# EAGLE board working (EAGLE 9.6.2), part 18 of 28
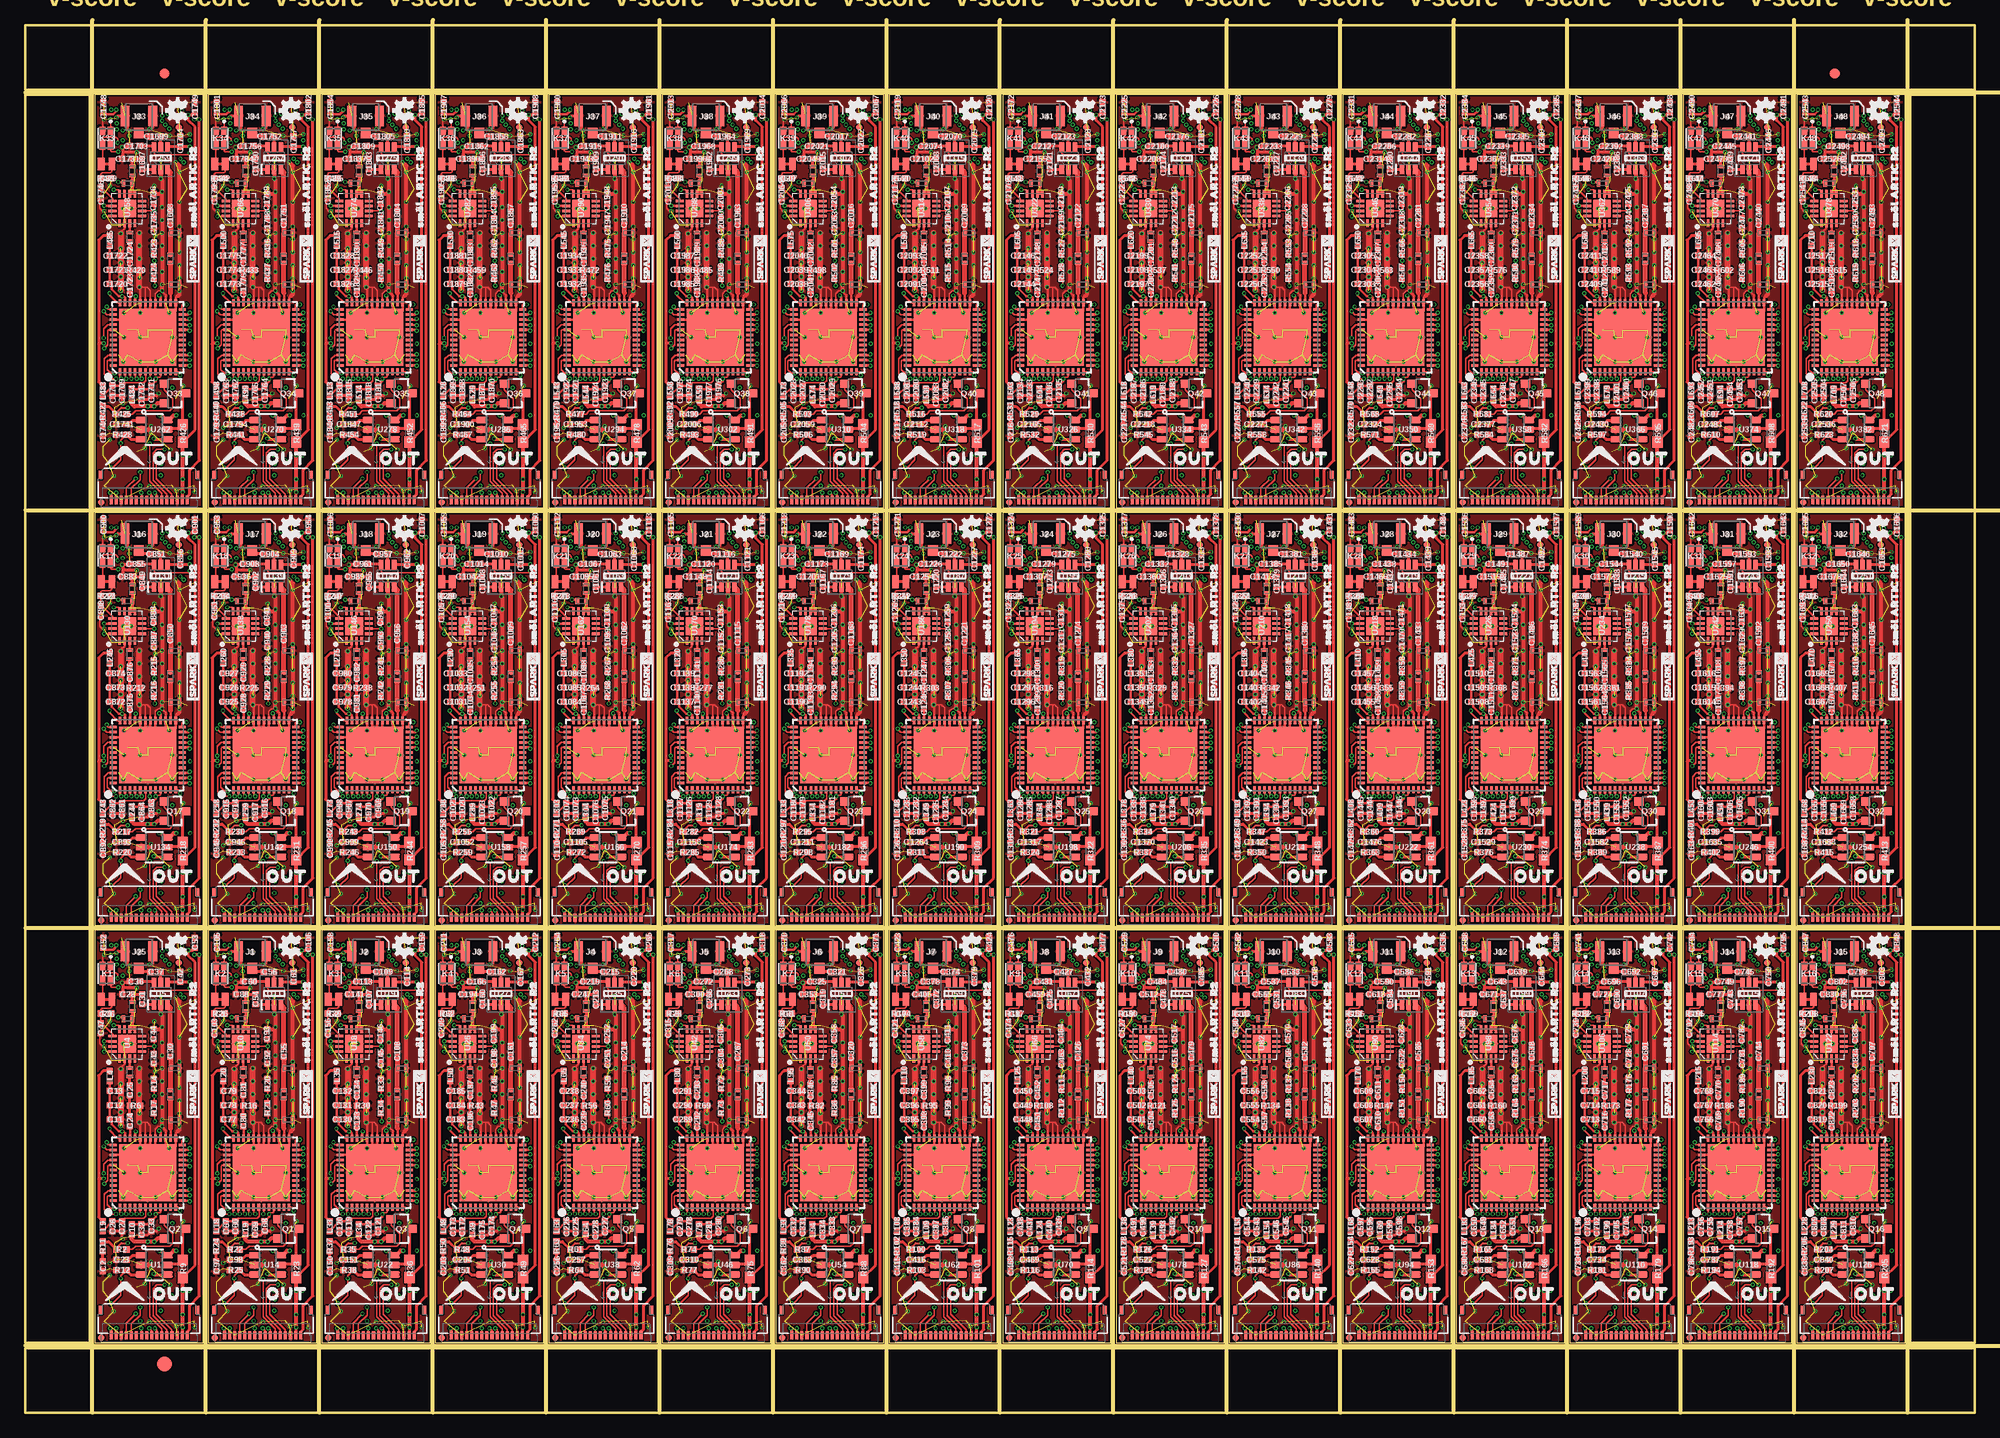
[diagram p0: board, top side]
## Tracks (layer width: path | path; a pad name or v marks a point on that pad's centre or on a via) (continued)
GND34  (via drill 0.2)  (89 unrouted) (continued)
  other vias: 37.53,111.76 37.53,110.49 37.53,114.3 37.53,115.57 33.66,105.92 32,103.51 33.66,103.51 35.18,103.51 36.83,103.51 37.53,113.03 31.75,110.49 32,118.62 32.77,118.62 35.05,120.84 38.54,125.92 35.69,123.32 37.53,119.25 37.53,122.17 37.21,90.81 39.05,90.68 34.1,95 37.53,127.64 36.83,105.92 34.54,91.25 31.05,92.27 36.64,94.87 36.51,108.33 36.58,125.79 35.14,115.91 30.54,93.54
  cutout Route2 (isolate 0.305): 36.07,122.94 37.21,122.94 37.21,110.24 36.96,109.98 36.96,108.84 36.32,108.84 36.32,110.11 36.07,110.36
  pour Top (isolate 0.152, rank 3): 29.21,129.79 39.88,129.79 39.88,89.15 29.21,89.15
  pour Route2 (isolate 0.152, rank 2): 29.21,129.79 39.88,129.79 39.88,89.15 29.21,89.15
  pour Route15 (isolate 0.152, rank 2): 29.21,129.79 39.88,129.79 39.88,89.15 29.21,89.15
  pour Bottom (isolate 0.152, rank 2): 29.21,129.79 39.88,129.79 39.88,89.15 29.21,89.15
  pour Top (isolate 0.102): 31.5,117.48 33.91,117.48 33.91,108.59 31.5,108.59
  pour Top (isolate 0.102): 35.62,122.94 37.72,122.94 37.72,108.59 35.62,108.59
  pour Top (isolate 0.102): 32.13,123.89 35.62,123.89 35.62,119.44 32.13,119.44
  pour Top (isolate 0.102): 31.56,128.91 36.13,128.91 36.13,123.89 31.56,123.89
GND35  (via drill 0.2)  (89 unrouted)
  Top 0.152: U281.30 45.84,110.56 45.53,110.87 45.34,110.87 | v44.77,110.87 45.34,110.87 | U281.31 45.34,110.87 | U281.29 46.32,109.34 46.32,110.21 46.6,110.49 v46.99,110.49 | v41.27,118.36 41.08,118.36 40.83,118.62 40.83,119.52 C1905.1 | K36.2 41.13,127.23 v41.27,127.38
  Top 0.203: U282.2 43.31,116.65 42.93,116.27 v42.93,116.14
  Top 0.254: v46.99,110.49 46.99,110.43 47.34,110.07 U281.27 47.34,108.23 47.37,108.2 | 48.51,109.98 48.34,109.81 U281.25 48.34,108.54 48.01,108.2 47.37,108.2 | 44.84,108.34 U281.32 44.84,110.8 v44.77,110.87 | 44.84,108.34 v44.83,108.33 | U281.39 43,107.67 43.24,107.91 v43.24,108.33 | 47.37,108.2 46.35,108.2 | 46.35,108.2 45.85,108.2 | 45.85,108.2 45.34,108.2 | 45.34,108.2 44.98,108.2 44.84,108.34 | U281.31 45.34,108.21 45.34,108.2 | U281.30 45.84,108.21 45.85,108.2 | U281.29 46.34,108.22 46.35,108.2
  Top 0.305: v42.48,127.57 42.64,127.73 J36.2 43.56,127.5 43.56,126.49 v43.75,126.3 | v45.72,126.43 45.91,126.43 46.08,126.6 J36.1 | C1871.2 45.59,99.83 C1870.2 46.43,100.15 v46.67,100.39 | v43.12,99.44 43.05,99.51 C1868.2 C1869.2 | C1890.1 43.06,123.64 43.18,123.76 43.18,124.14 | 43.18,124.14 43.18,124.52 v43.05,124.65 43.7,124.65 C1862.2 | v44.51,124.14 43.18,124.14
  Top 0.406: 48.51,109.98 48.69,110.16 L537.P$1 L538.P$1 48.69,116.83 v48.7,116.84 48.7,122.81 v48.32,123.19 | R459.1 | v46.99,110.49 v46.99,111.12 v46.99,112.4 v46.99,113.67 v46.99,114.94 v46.99,116.2 v46.99,117.48 v46.99,118.75 v46.99,120.27 | C1895.2 46.79,120.07 v46.99,120.27 | v45.91,97.16 45.59,96.84 | U286.2 45.59,96.84 | v45.91,96.52 45.59,96.84 | U283.2 v46.86,121.54 46.99,121.41 v46.99,120.27
  Top 0.61: v44.77,110.87 v44.77,111.76 v44.77,113.67 v44.77,114.94 v44.77,116.2 | 42.93,110.6 v42.93,111.89 v42.93,113.28 v42.93,114.68 v42.93,116.14
  Bottom 0.152: U287.4 49.26,100.98 v49.08,101.16 | v43.05,124.65 42.29,124.65 41.28,123.64 R460.2 C1884.1 41.28,121.4 v41.85,120.84 | X36.2 41.82,106.25 40.65,106.25 40.64,106.25 | C1860.2 40.64,95.76 40.64,103.2 | 40.64,106.25 40.64,109.42 40.83,109.6 C1873.2 41.41,109.6 42.32,108.69 42.66,108.69 43.02,108.33 v43.24,108.33 | 40.64,106.25 40.64,103.2 | R458.2 40.65,103.2 40.64,103.2
  Bottom 0.254: X36.1 43.63,106.3 v43.24,105.92
  Bottom 0.305: C1904.2 47.18,99.89 v46.67,100.39
  Bottom 0.406: v41.85,97.03 41.85,96.52 U284.2 41.85,96.39 v41.85,95.82
  other vias: 48.7,111.76 48.7,110.49 48.7,114.3 48.7,115.57 44.83,105.92 43.18,103.51 44.83,103.51 46.35,103.51 48.01,103.51 48.7,113.03 42.93,110.49 43.18,118.62 43.94,118.62 46.23,120.84 49.72,125.92 46.86,123.32 48.7,119.25 48.7,122.17 48.39,90.81 50.23,90.68 45.28,95 48.7,127.64 48.01,105.92 45.72,91.25 42.23,92.27 47.82,94.87 47.69,108.33 47.75,125.79 46.32,115.91 41.72,93.54
  cutout Route2 (isolate 0.305): 47.24,122.94 48.39,122.94 48.39,110.24 48.13,109.98 48.13,108.84 47.5,108.84 47.5,110.11 47.24,110.36
  pour Top (isolate 0.152, rank 3): 40.39,129.79 51.05,129.79 51.05,89.15 40.39,89.15
  pour Route2 (isolate 0.152, rank 2): 40.39,129.79 51.05,129.79 51.05,89.15 40.39,89.15
  pour Route15 (isolate 0.152, rank 2): 40.39,129.79 51.05,129.79 51.05,89.15 40.39,89.15
  pour Bottom (isolate 0.152, rank 2): 40.39,129.79 51.05,129.79 51.05,89.15 40.39,89.15
  pour Top (isolate 0.102): 42.67,117.48 45.08,117.48 45.08,108.59 42.67,108.59
  pour Top (isolate 0.102): 46.8,122.94 48.89,122.94 48.89,108.59 46.8,108.59
  pour Top (isolate 0.102): 43.31,123.89 46.8,123.89 46.8,119.44 43.31,119.44
  pour Top (isolate 0.102): 42.74,128.91 47.31,128.91 47.31,123.89 42.74,123.89
GND36  (via drill 0.2)  (89 unrouted)
  Top 0.152: U289.30 57.02,110.56 56.7,110.87 56.51,110.87 | v55.94,110.87 56.51,110.87 | U289.31 56.52,110.87 56.51,110.87 | U289.29 57.5,109.34 57.5,110.21 57.78,110.49 v58.17,110.49 | v52.45,118.36 52.26,118.36 52.01,118.62 52.01,119.52 C1958.1 | K37.2 52.3,127.23 v52.45,127.38
  Top 0.203: U290.2 54.49,116.65 54.1,116.27 v54.1,116.14
  Top 0.254: v58.17,110.49 58.17,110.43 58.52,110.07 U289.27 58.52,108.23 58.55,108.2 | 59.69,109.98 59.52,109.81 U289.25 59.52,108.54 59.18,108.2 58.55,108.2 | 56.02,108.34 U289.32 56.02,110.8 v55.94,110.87 | 56.02,108.34 v56.01,108.33 | U289.39 54.18,107.67 54.42,107.91 v54.42,108.33 | 58.55,108.2 57.53,108.2 | 57.53,108.2 57.02,108.2 | 57.02,108.2 56.51,108.2 | 56.51,108.2 56.16,108.2 56.02,108.34 | U289.31 56.52,108.21 56.51,108.2 | U289.30 57.02,108.21 57.02,108.2 | U289.29 57.52,108.22 57.53,108.2
  Top 0.305: v53.66,127.57 53.82,127.73 J37.2 54.74,127.5 54.74,126.49 v54.93,126.3 | v56.9,126.43 57.09,126.43 57.25,126.6 J37.1 | C1924.2 56.77,99.83 C1923.2 57.6,100.15 v57.85,100.39 | v54.29,99.44 54.23,99.51 C1921.2 C1922.2 | C1943.1 54.24,123.64 54.36,123.76 54.36,124.14 | 54.36,124.14 54.36,124.52 v54.23,124.65 54.87,124.65 C1915.2 | v55.69,124.14 54.36,124.14
  Top 0.406: 59.69,109.98 59.87,110.16 L552.P$1 L553.P$1 59.87,116.83 v59.88,116.84 59.88,122.81 v59.5,123.19 | R472.1 | v58.17,110.49 v58.17,111.12 v58.17,112.4 v58.17,113.67 v58.17,114.94 v58.17,116.2 v58.17,117.48 v58.17,118.75 v58.17,120.27 | C1948.2 57.97,120.07 v58.17,120.27 | v57.09,97.16 56.77,96.84 | U294.2 56.77,96.84 | v57.09,96.52 56.77,96.84 | U291.2 v58.04,121.54 58.17,121.41 v58.17,120.27
  Top 0.61: v55.94,110.87 v55.94,111.76 v55.94,113.67 v55.94,114.94 v55.94,116.2 | 54.1,110.6 v54.1,111.89 v54.1,113.28 v54.1,114.68 v54.1,116.14
  Bottom 0.152: U295.4 60.44,100.98 v60.26,101.16 | v54.23,124.65 53.47,124.65 52.46,123.64 R473.2 C1937.1 52.46,121.4 v53.02,120.84 | X37.2 53,106.25 51.82,106.25 | C1913.2 51.82,95.76 51.82,103.2 | 51.82,106.25 51.82,109.42 52,109.6 C1926.2 52.59,109.6 53.49,108.69 53.83,108.69 54.2,108.33 v54.42,108.33 | 51.82,106.25 51.82,103.2 | R471.2 51.83,103.2 51.82,103.2
  Bottom 0.254: X37.1 54.8,106.3 v54.42,105.92
  Bottom 0.305: C1957.2 58.36,99.89 v57.85,100.39
  Bottom 0.406: v53.02,97.03 53.02,96.52 U292.2 53.02,96.39 v53.02,95.82
  other vias: 59.88,111.76 59.88,110.49 59.88,114.3 59.88,115.57 56.01,105.92 54.36,103.51 56.01,103.51 57.53,103.51 59.18,103.51 59.88,113.03 54.1,110.49 54.36,118.62 55.12,118.62 57.4,120.84 60.9,125.92 58.04,123.32 59.88,119.25 59.88,122.17 59.56,90.81 61.4,90.68 56.45,95 59.88,127.64 59.18,105.92 56.9,91.25 53.4,92.27 58.99,94.87 58.86,108.33 58.93,125.79 57.49,115.91 52.9,93.54
  cutout Route2 (isolate 0.305): 58.42,122.94 59.56,122.94 59.56,110.24 59.31,109.98 59.31,108.84 58.67,108.84 58.67,110.11 58.42,110.36
  pour Top (isolate 0.152, rank 3): 51.56,129.79 62.23,129.79 62.23,89.15 51.56,89.15
  pour Route2 (isolate 0.152, rank 2): 51.56,129.79 62.23,129.79 62.23,89.15 51.56,89.15
  pour Route15 (isolate 0.152, rank 2): 51.56,129.79 62.23,129.79 62.23,89.15 51.56,89.15
  pour Bottom (isolate 0.152, rank 2): 51.56,129.79 62.23,129.79 62.23,89.15 51.56,89.15
  pour Top (isolate 0.102): 53.85,117.48 56.26,117.48 56.26,108.59 53.85,108.59
  pour Top (isolate 0.102): 57.98,122.94 60.07,122.94 60.07,108.59 57.98,108.59
  pour Top (isolate 0.102): 54.48,123.89 57.98,123.89 57.98,119.44 54.48,119.44
  pour Top (isolate 0.102): 53.91,128.91 58.48,128.91 58.48,123.89 53.91,123.89
GND37  (via drill 0.2)  (89 unrouted)
  Top 0.152: U297.30 68.2,110.56 67.88,110.87 67.69,110.87 | v67.12,110.87 67.69,110.87 | U297.31 67.7,110.87 67.69,110.87 | U297.29 68.68,109.34 68.68,110.21 68.96,110.49 v69.34,110.49 | v63.63,118.36 63.44,118.36 63.18,118.62 63.18,119.52 C2011.1 | K38.2 63.48,127.23 v63.63,127.38
  Top 0.203: U298.2 65.66,116.65 65.28,116.27 v65.28,116.14
  Top 0.254: v69.34,110.49 69.34,110.43 69.7,110.07 U297.27 69.7,108.23 69.72,108.2 | 70.87,109.98 70.7,109.81 U297.25 70.7,108.54 70.36,108.2 69.72,108.2 | 67.2,108.34 U297.32 67.2,110.8 v67.12,110.87 | 67.2,108.34 v67.18,108.33 | U297.39 65.35,107.67 65.59,107.91 v65.59,108.33 | 69.72,108.2 68.71,108.2 | 68.71,108.2 68.2,108.2 | 68.2,108.2 67.69,108.2 | 67.69,108.2 67.33,108.2 67.2,108.34 | U297.31 67.7,108.21 67.69,108.2 | U297.30 68.2,108.21 68.2,108.2 | U297.29 68.7,108.22 68.71,108.2
  Top 0.305: v64.83,127.57 65,127.73 J38.2 65.91,127.5 65.91,126.49 v66.1,126.3 | v68.07,126.43 68.26,126.43 68.43,126.6 J38.1 | C1977.2 67.95,99.83 C1976.2 68.78,100.15 v69.02,100.39 | v65.47,99.44 65.41,99.51 C1974.2 C1975.2 | C1996.1 65.41,123.64 65.53,123.76 65.53,124.14 | 65.53,124.14 65.53,124.52 v65.41,124.65 66.05,124.65 C1968.2 | v66.87,124.14 65.53,124.14
  Top 0.406: 70.87,109.98 71.04,110.16 L567.P$1 L568.P$1 71.04,116.83 v71.06,116.84 71.06,122.81 v70.68,123.19 | R485.1 | v69.34,110.49 v69.34,111.12 v69.34,112.4 v69.34,113.67 v69.34,114.94 v69.34,116.2 v69.34,117.48 v69.34,118.75 v69.34,120.27 | C2001.2 69.14,120.07 v69.34,120.27 | v68.26,97.16 67.95,96.84 | U302.2 67.95,96.84 | v68.26,96.52 67.95,96.84 | U299.2 v69.22,121.54 69.34,121.41 v69.34,120.27
  Top 0.61: v67.12,110.87 v67.12,111.76 v67.12,113.67 v67.12,114.94 v67.12,116.2 | 65.28,110.6 v65.28,111.89 v65.28,113.28 v65.28,114.68 v65.28,116.14
  Bottom 0.152: U303.4 71.62,100.98 v71.44,101.16 | v65.41,124.65 64.64,124.65 63.63,123.64 R486.2 C1990.1 63.63,121.4 v64.2,120.84 | X38.2 64.17,106.25 63,106.25 | C1966.2 63,95.76 63,103.2 | 63,106.25 63,109.42 63.18,109.6 C1979.2 63.76,109.6 64.67,108.69 65.01,108.69 65.37,108.33 v65.59,108.33 | 63,106.25 63,103.2 | R484.2 63,103.2
  Bottom 0.254: X38.1 65.98,106.3 v65.59,105.92
  Bottom 0.305: C2010.2 69.53,99.89 v69.02,100.39
  Bottom 0.406: v64.2,97.03 64.2,96.52 U300.2 64.2,96.39 v64.2,95.82
  other vias: 71.06,111.76 71.06,110.49 71.06,114.3 71.06,115.57 67.18,105.92 65.53,103.51 67.18,103.51 68.71,103.51 70.36,103.51 71.06,113.03 65.28,110.49 65.53,118.62 66.29,118.62 68.58,120.84 72.07,125.92 69.22,123.32 71.06,119.25 71.06,122.17 70.74,90.81 72.58,90.68 67.63,95 71.06,127.64 70.36,105.92 68.07,91.25 64.58,92.27 70.17,94.87 70.04,108.33 70.1,125.79 68.67,115.91 64.07,93.54
  cutout Route2 (isolate 0.305): 69.6,122.94 70.74,122.94 70.74,110.24 70.48,109.98 70.48,108.84 69.85,108.84 69.85,110.11 69.6,110.36
  pour Top (isolate 0.152, rank 3): 62.74,129.79 73.41,129.79 73.41,89.15 62.74,89.15
  pour Route2 (isolate 0.152, rank 2): 62.74,129.79 73.41,129.79 73.41,89.15 62.74,89.15
  pour Route15 (isolate 0.152, rank 2): 62.74,129.79 73.41,129.79 73.41,89.15 62.74,89.15
  pour Bottom (isolate 0.152, rank 2): 62.74,129.79 73.41,129.79 73.41,89.15 62.74,89.15
  pour Top (isolate 0.102): 65.02,117.48 67.44,117.48 67.44,108.59 65.02,108.59
  pour Top (isolate 0.102): 69.15,122.94 71.25,122.94 71.25,108.59 69.15,108.59
  pour Top (isolate 0.102): 65.66,123.89 69.15,123.89 69.15,119.44 65.66,119.44
  pour Top (isolate 0.102): 65.09,128.91 69.66,128.91 69.66,123.89 65.09,123.89
GND38  (via drill 0.2)  (89 unrouted)
  Top 0.152: U305.30 79.37,110.56 79.06,110.87 78.87,110.87 | v78.3,110.87 78.87,110.87 | U305.31 78.87,110.87 | U305.29 79.85,109.34 79.85,110.21 80.13,110.49 v80.52,110.49 | v74.8,118.36 74.61,118.36 74.36,118.62 74.36,119.52 C2064.1 | K39.2 74.66,127.23 v74.8,127.38
  Top 0.203: U306.2 76.84,116.65 76.45,116.27 v76.45,116.14
  Top 0.254: v80.52,110.49 80.52,110.43 80.87,110.07 U305.27 80.87,108.23 80.9,108.2 | 82.04,109.98 81.87,109.81 U305.25 81.87,108.54 81.53,108.2 80.9,108.2 | 78.37,108.34 U305.32 78.37,110.8 v78.3,110.87 | 78.37,108.34 v78.36,108.33 | U305.39 76.53,107.67 76.77,107.91 v76.77,108.33 | 80.9,108.2 79.88,108.2 | 79.88,108.2 79.38,108.2 | 79.38,108.2 78.87,108.2 | 78.87,108.2 78.51,108.2 78.37,108.34 | U305.31 78.87,108.21 78.87,108.2 | U305.30 79.37,108.21 79.38,108.2 | U305.29 79.87,108.22 79.88,108.2
  Top 0.305: v76.01,127.57 76.17,127.73 J39.2 77.09,127.5 77.09,126.49 v77.28,126.3 | v79.25,126.43 79.44,126.43 79.61,126.6 J39.1 | C2030.2 79.12,99.83 C2029.2 79.95,100.15 v80.2,100.39 | v76.65,99.44 76.58,99.51 C2027.2 C2028.2 | C2049.1 76.59,123.64 76.71,123.76 76.71,124.14 | 76.71,124.14 76.71,124.52 v76.58,124.65 77.22,124.65 C2021.2 | v78.04,124.14 76.71,124.14
  Top 0.406: 82.04,109.98 82.22,110.16 L582.P$1 L583.P$1 82.22,116.83 v82.23,116.84 82.23,122.81 v81.85,123.19 | 78.36,112.51 R498.1 | v80.52,110.49 v80.52,111.12 v80.52,112.4 v80.52,113.67 v80.52,114.94 v80.52,116.2 v80.52,117.48 v80.52,118.75 v80.52,120.27 | C2054.2 80.32,120.07 v80.52,120.27 | v79.44,97.16 79.12,96.84 | U310.2 79.12,96.84 | v79.44,96.52 79.12,96.84 | U307.2 v80.39,121.54 80.52,121.41 v80.52,120.27
  Top 0.61: v78.3,110.87 v78.3,111.76 v78.3,113.67 v78.3,114.94 v78.3,116.2 | 76.45,110.6 v76.45,111.89 v76.45,113.28 v76.45,114.68 v76.45,116.14
  Bottom 0.152: U311.4 82.79,100.98 v82.61,101.16 | v76.58,124.65 75.82,124.65 74.81,123.64 R499.2 C2043.1 74.81,121.4 v75.37,120.84 | X39.2 75.35,106.25 74.17,106.25 | C2019.2 74.17,95.76 74.17,103.2 | 74.17,106.25 74.17,109.42 74.36,109.6 C2032.2 74.94,109.6 75.85,108.69 76.19,108.69 76.55,108.33 v76.77,108.33 | 74.17,106.25 74.17,103.2 | R497.2 74.18,103.2 74.17,103.2
  Bottom 0.254: X39.1 77.15,106.3 v76.77,105.92
  Bottom 0.305: C2063.2 80.71,99.89 v80.2,100.39
  Bottom 0.406: v75.37,97.03 75.37,96.52 U308.2 75.37,96.39 v75.37,95.82
  other vias: 82.23,111.76 82.23,110.49 82.23,114.3 82.23,115.57 78.36,105.92 76.71,103.51 78.36,103.51 79.88,103.51 81.53,103.51 82.23,113.03 76.45,110.49 76.71,118.62 77.47,118.62 79.76,120.84 83.25,125.92 80.39,123.32 82.23,119.25 82.23,122.17 81.92,90.81 83.76,90.68 78.8,95 82.23,127.64 81.53,105.92 79.25,91.25 75.76,92.27 81.34,94.87 81.22,108.33 81.28,125.79 79.84,115.91 75.25,93.54
  cutout Route2 (isolate 0.305): 80.77,122.94 81.92,122.94 81.92,110.24 81.66,109.98 81.66,108.84 81.03,108.84 81.03,110.11 80.77,110.36
  pour Top (isolate 0.152, rank 3): 73.91,129.79 84.58,129.79 84.58,89.15 73.91,89.15
  pour Route2 (isolate 0.152, rank 2): 73.91,129.79 84.58,129.79 84.58,89.15 73.91,89.15
  pour Route15 (isolate 0.152, rank 2): 73.91,129.79 84.58,129.79 84.58,89.15 73.91,89.15
  pour Bottom (isolate 0.152, rank 2): 73.91,129.79 84.58,129.79 84.58,89.15 73.91,89.15
  pour Top (isolate 0.102): 76.2,117.48 78.61,117.48 78.61,108.59 76.2,108.59
  pour Top (isolate 0.102): 80.33,122.94 82.42,122.94 82.42,108.59 80.33,108.59
  pour Top (isolate 0.102): 76.84,123.89 80.33,123.89 80.33,119.44 76.84,119.44
  pour Top (isolate 0.102): 76.26,128.91 80.84,128.91 80.84,123.89 76.26,123.89
GND39  (via drill 0.2)  (89 unrouted)
  Top 0.152: U313.30 90.55,110.56 90.23,110.87 90.04,110.87 | v89.47,110.87 90.04,110.87 | U313.31 90.05,110.87 90.04,110.87 | U313.29 91.03,109.34 91.03,110.21 91.31,110.49 v91.69,110.49 | v85.98,118.36 85.79,118.36 85.54,118.62 85.54,119.52 C2117.1 | K40.2 85.83,127.23 v85.98,127.38
  Top 0.203: U314.2 88.02,116.65 87.63,116.27 v87.63,116.14
  Top 0.254: v91.69,110.49 91.69,110.43 92.05,110.07 U313.27 92.05,108.23 92.08,108.2 | 93.22,109.98 93.05,109.81 U313.25 93.05,108.54 92.71,108.2 92.08,108.2 | 89.55,108.34 U313.32 89.55,110.8 v89.47,110.87 | 89.55,108.34 v89.54,108.33 | U313.39 87.7,107.67 87.95,107.91 v87.95,108.33 | 92.08,108.2 91.06,108.2 | 91.06,108.2 90.55,108.2 | 90.55,108.2 90.04,108.2 | 90.04,108.2 89.69,108.2 89.55,108.34 | U313.31 90.05,108.21 90.04,108.2 | U313.30 90.55,108.21 90.55,108.2 | U313.29 91.05,108.22 91.06,108.2
  Top 0.305: v87.19,127.57 87.35,127.73 J40.2 88.27,127.5 88.27,126.49 v88.45,126.3 | v90.42,126.43 90.62,126.43 90.78,126.6 J40.1 | C2083.2 90.3,99.83 C2082.2 91.13,100.15 v91.38,100.39 | v87.82,99.44 87.76,99.51 C2080.2 C2081.2 | C2102.1 87.77,123.64 87.88,123.76 87.88,124.14 | 87.88,124.14 87.88,124.52 v87.76,124.65 88.4,124.65 C2074.2 | v89.22,124.14 87.88,124.14
  Top 0.406: 93.22,109.98 93.4,110.16 L597.P$1 L598.P$1 93.4,116.83 v93.41,116.84 93.41,122.81 v93.03,123.19 | R511.1 | v91.69,110.49 v91.69,111.12 v91.69,112.4 v91.69,113.67 v91.69,114.94 v91.69,116.2 v91.69,117.48 v91.69,118.75 v91.69,120.27 | C2107.2 91.5,120.07 v91.69,120.27 | v90.62,97.16 90.3,96.84 | U318.2 90.3,96.84 | v90.62,96.52 90.3,96.84 | U315.2 v91.57,121.54 91.69,121.41 v91.69,120.27
  Top 0.61: v89.47,110.87 v89.47,111.76 v89.47,113.67 v89.47,114.94 v89.47,116.2 | 87.63,110.6 v87.63,111.89 v87.63,113.28 v87.63,114.68 v87.63,116.14
  Bottom 0.152: U319.4 93.97,100.98 v93.79,101.16 | v87.76,124.65 87,124.65 85.99,123.64 R512.2 C2096.1 85.99,121.4 v86.55,120.84 | X40.2 86.53,106.25 85.35,106.25 | C2072.2 85.35,95.76 85.35,103.2 | 85.35,106.25 85.35,109.42 85.53,109.6 C2085.2 86.11,109.6 87.02,108.69 87.36,108.69 87.73,108.33 v87.95,108.33 | 85.35,106.25 85.35,103.2 | R510.2 85.35,103.2
  Bottom 0.254: X40.1 88.33,106.3 v87.95,105.92
  Bottom 0.305: C2116.2 91.88,99.89 v91.38,100.39
  Bottom 0.406: v86.55,97.03 86.55,96.52 U316.2 86.55,96.39 v86.55,95.82
  other vias: 93.41,111.76 93.41,110.49 93.41,114.3 93.41,115.57 89.54,105.92 87.88,103.51 89.54,103.51 91.06,103.51 92.71,103.51 93.41,113.03 87.63,110.49 87.88,118.62 88.65,118.62 90.93,120.84 94.42,125.92 91.57,123.32 93.41,119.25 93.41,122.17 93.09,90.81 94.93,90.68 89.98,95 93.41,127.64 92.71,105.92 90.42,91.25 86.93,92.27 92.52,94.87 92.39,108.33 92.46,125.79 91.02,115.91 86.42,93.54
  cutout Route2 (isolate 0.305): 91.95,122.94 93.09,122.94 93.09,110.24 92.84,109.98 92.84,108.84 92.2,108.84 92.2,110.11 91.95,110.36
  pour Top (isolate 0.152, rank 3): 85.09,129.79 95.76,129.79 95.76,89.15 85.09,89.15
  pour Route2 (isolate 0.152, rank 2): 85.09,129.79 95.76,129.79 95.76,89.15 85.09,89.15
  pour Route15 (isolate 0.152, rank 2): 85.09,129.79 95.76,129.79 95.76,89.15 85.09,89.15
  pour Bottom (isolate 0.152, rank 2): 85.09,129.79 95.76,129.79 95.76,89.15 85.09,89.15
  pour Top (isolate 0.102): 87.38,117.48 89.79,117.48 89.79,108.59 87.38,108.59
  pour Top (isolate 0.102): 91.5,122.94 93.6,122.94 93.6,108.59 91.5,108.59
  pour Top (isolate 0.102): 88.01,123.89 91.5,123.89 91.5,119.44 88.01,119.44
  pour Top (isolate 0.102): 87.44,128.91 92.01,128.91 92.01,123.89 87.44,123.89
GND40  (via drill 0.2)  (89 unrouted)
  Top 0.152: U321.30 101.72,110.56 101.41,110.87 101.22,110.87 | v100.65,110.87 101.22,110.87 | U321.31 101.22,110.87 | U321.29 102.2,109.34 102.2,110.21 102.48,110.49 v102.87,110.49 | v97.16,118.36 96.96,118.36 96.71,118.62 96.71,119.52 C2170.1 | K41.2 97.01,127.23 v97.16,127.38
  Top 0.203: U322.2 99.19,116.65 98.81,116.27 v98.81,116.14
  Top 0.254: v102.87,110.49 102.87,110.43 103.22,110.07 U321.27 103.22,108.23 103.25,108.2 | 104.39,109.98 104.22,109.81 U321.25 104.22,108.54 103.89,108.2 103.25,108.2 | 100.72,108.34 U321.32 100.72,110.8 v100.65,110.87 | 100.72,108.34 v100.71,108.33 | U321.39 98.88,107.67 99.12,107.91 v99.12,108.33 | 103.25,108.2 102.23,108.2 | 102.23,108.2 101.73,108.2 | 101.73,108.2 101.22,108.2 | 101.22,108.2 100.86,108.2 100.72,108.34 | U321.31 101.22,108.21 101.22,108.2 | U321.30 101.72,108.21 101.73,108.2 | U321.29 102.22,108.22 102.23,108.2
  Top 0.305: v98.36,127.57 98.53,127.73 J41.2 99.44,127.5 99.44,126.49 v99.63,126.3 | v101.6,126.43 101.79,126.43 101.96,126.6 J41.1 | C2136.2 101.47,99.83 C2135.2 102.31,100.15 v102.55,100.39 | v99,99.44 98.93,99.51 C2133.2 C2134.2 | C2155.1 98.94,123.64 99.06,123.76 99.06,124.14 | 99.06,124.14 99.06,124.52 v98.93,124.65 99.58,124.65 C2127.2 | v100.39,124.14 99.06,124.14
  Top 0.406: 104.39,109.98 104.57,110.16 L612.P$1 L613.P$1 104.57,116.83 v104.59,116.84 104.59,122.81 v104.2,123.19 | 100.71,112.51 R524.1 | v102.87,110.49 v102.87,111.12 v102.87,112.4 v102.87,113.67 v102.87,114.94 v102.87,116.2 v102.87,117.48 v102.87,118.75 v102.87,120.27 | C2160.2 102.67,120.07 v102.87,120.27 | v101.79,97.16 101.47,96.84 | U326.2 101.47,96.84 | v101.79,96.52 101.47,96.84 | U323.2 v102.74,121.54 102.87,121.41 v102.87,120.27
  Top 0.61: v100.65,110.87 v100.65,111.76 v100.65,113.67 v100.65,114.94 v100.65,116.2 | 98.81,110.6 v98.81,111.89 v98.81,113.28 v98.81,114.68 v98.81,116.14
  Bottom 0.152: U327.4 105.14,100.98 v104.97,101.16 | v98.93,124.65 98.17,124.65 97.16,123.64 R525.2 C2149.1 97.16,121.4 v97.73,120.84 | X41.2 97.7,106.25 96.53,106.25 | C2125.2 96.53,95.76 96.53,103.2 | 96.53,106.25 96.53,109.42 96.71,109.6 C2138.2 97.29,109.6 98.2,108.69 98.54,108.69 98.9,108.33 v99.12,108.33 | 96.53,106.25 96.53,103.2 | R523.2 96.53,103.2
  Bottom 0.254: X41.1 99.51,106.3 v99.12,105.92
  Bottom 0.305: C2169.2 103.06,99.89 v102.55,100.39
  Bottom 0.406: v97.73,97.03 97.73,96.52 U324.2 97.73,96.39 v97.73,95.82
  other vias: 104.58,111.76 104.58,110.49 104.58,114.3 104.58,115.57 100.71,105.92 99.06,103.51 100.71,103.51 102.23,103.51 103.89,103.51 104.58,113.03 98.81,110.49 99.06,118.62 99.82,118.62 102.11,120.84 105.6,125.92 102.74,123.32 104.58,119.25 104.58,122.17 104.27,90.81 106.11,90.68 101.16,95 104.58,127.64 103.89,105.92 101.6,91.25 98.11,92.27 103.7,94.87 103.57,108.33 103.63,125.79 102.2,115.91 97.6,93.54
  cutout Route2 (isolate 0.305): 103.12,122.94 104.27,122.94 104.27,110.24 104.01,109.98 104.01,108.84 103.38,108.84 103.38,110.11 103.12,110.36
  pour Top (isolate 0.152, rank 3): 96.27,129.79 106.93,129.79 106.93,89.15 96.27,89.15
  pour Route2 (isolate 0.152, rank 2): 96.27,129.79 106.93,129.79 106.93,89.15 96.27,89.15
  pour Route15 (isolate 0.152, rank 2): 96.27,129.79 106.93,129.79 106.93,89.15 96.27,89.15
  pour Bottom (isolate 0.152, rank 2): 96.27,129.79 106.93,129.79 106.93,89.15 96.27,89.15
  pour Top (isolate 0.102): 98.55,117.48 100.97,117.48 100.97,108.59 98.55,108.59
  pour Top (isolate 0.102): 102.68,122.94 104.78,122.94 104.78,108.59 102.68,108.59
  pour Top (isolate 0.102): 99.19,123.89 102.68,123.89 102.68,119.44 99.19,119.44
  pour Top (isolate 0.102): 98.62,128.91 103.19,128.91 103.19,123.89 98.62,123.89
GND41  (via drill 0.2)  (89 unrouted)
  Top 0.152: U329.30 112.9,110.56 112.59,110.87 112.4,110.87 | v111.82,110.87 112.4,110.87 | U329.31 112.4,110.87 | U329.29 113.38,109.34 113.38,110.21 113.66,110.49 v114.05,110.49 | v108.33,118.36 108.14,118.36 107.89,118.62 107.89,119.52 C2223.1 | K42.2 108.19,127.23 v108.33,127.38
  Top 0.203: U330.2 110.37,116.65 109.98,116.27 v109.98,116.14
  Top 0.254: v114.05,110.49 114.05,110.43 114.4,110.07 U329.27 114.4,108.23 114.43,108.2 | 115.57,109.98 115.4,109.81 U329.25 115.4,108.54 115.06,108.2 114.43,108.2 | 111.9,108.34 U329.32 111.9,110.8 v111.82,110.87 | 111.9,108.34 v111.89,108.33 | U329.39 110.06,107.67 110.3,107.91 v110.3,108.33 | 114.43,108.2 113.41,108.2 | 113.41,108.2 112.9,108.2 | 112.9,108.2 112.4,108.2 | 112.4,108.2 112.04,108.2 111.9,108.34 | U329.31 112.4,108.21 112.4,108.2 | U329.30 112.9,108.21 112.9,108.2 | U329.29 113.4,108.22 113.41,108.2
  Top 0.305: v109.54,127.57 109.7,127.73 J42.2 110.62,127.5 110.62,126.49 v110.81,126.3 | v112.78,126.43 112.97,126.43 113.14,126.6 J42.1 | C2189.2 112.65,99.83 C2188.2 113.48,100.15 v113.73,100.39 | v110.17,99.44 110.11,99.51 C2186.2 C2187.2 | C2208.1 110.12,123.64 110.24,123.76 110.24,124.14 | 110.24,124.14 110.24,124.52 v110.11,124.65 110.75,124.65 C2180.2 | v111.57,124.14 110.24,124.14
  Top 0.406: 115.57,109.98 115.75,110.16 L627.P$1 L628.P$1 115.75,116.83 v115.76,116.84 115.76,122.81 v115.38,123.19 | R537.1 | v114.05,110.49 v114.05,111.12 v114.05,112.4 v114.05,113.67 v114.05,114.94 v114.05,116.2 v114.05,117.48 v114.05,118.75 v114.05,120.27 | C2213.2 113.85,120.07 v114.05,120.27 | v112.97,97.16 112.65,96.84 | U334.2 112.65,96.84 | v112.97,96.52 112.65,96.84 | U331.2 v113.92,121.54 114.05,121.41 v114.05,120.27
  Top 0.61: v111.82,110.87 v111.82,111.76 v111.82,113.67 v111.82,114.94 v111.82,116.2 | 109.98,110.6 v109.98,111.89 v109.98,113.28 v109.98,114.68 v109.98,116.14
  Bottom 0.152: U335.4 116.32,100.98 v116.14,101.16 | v110.11,124.65 109.35,124.65 108.34,123.64 R538.2 C2202.1 108.34,121.4 v108.9,120.84 | X42.2 108.88,106.25 107.7,106.25 | C2178.2 107.7,95.76 107.7,103.2 | 107.7,106.25 107.7,109.42 107.88,109.6 C2191.2 108.47,109.6 109.37,108.69 109.72,108.69 110.08,108.33 v110.3,108.33 | 107.7,106.25 107.7,103.2 | R536.2 107.7,103.2